# Altium PCB 4 Layers Motherboard.PcbDoc (part 2 of 3)
Units mm, origin at the board's own origin, x right, y up, seen from the top; angles counter-clockwise.
Board outline 83.25 x 83.25 mm, 4 copper layers (Top Layer, Int1 (GND), Int2 (PWR), Bottom Layer), stack 1.369 mm thick; 152 components, 130 nets, 654 pads, 220 vias.
Unrouted connection lines stored in the file: 87.
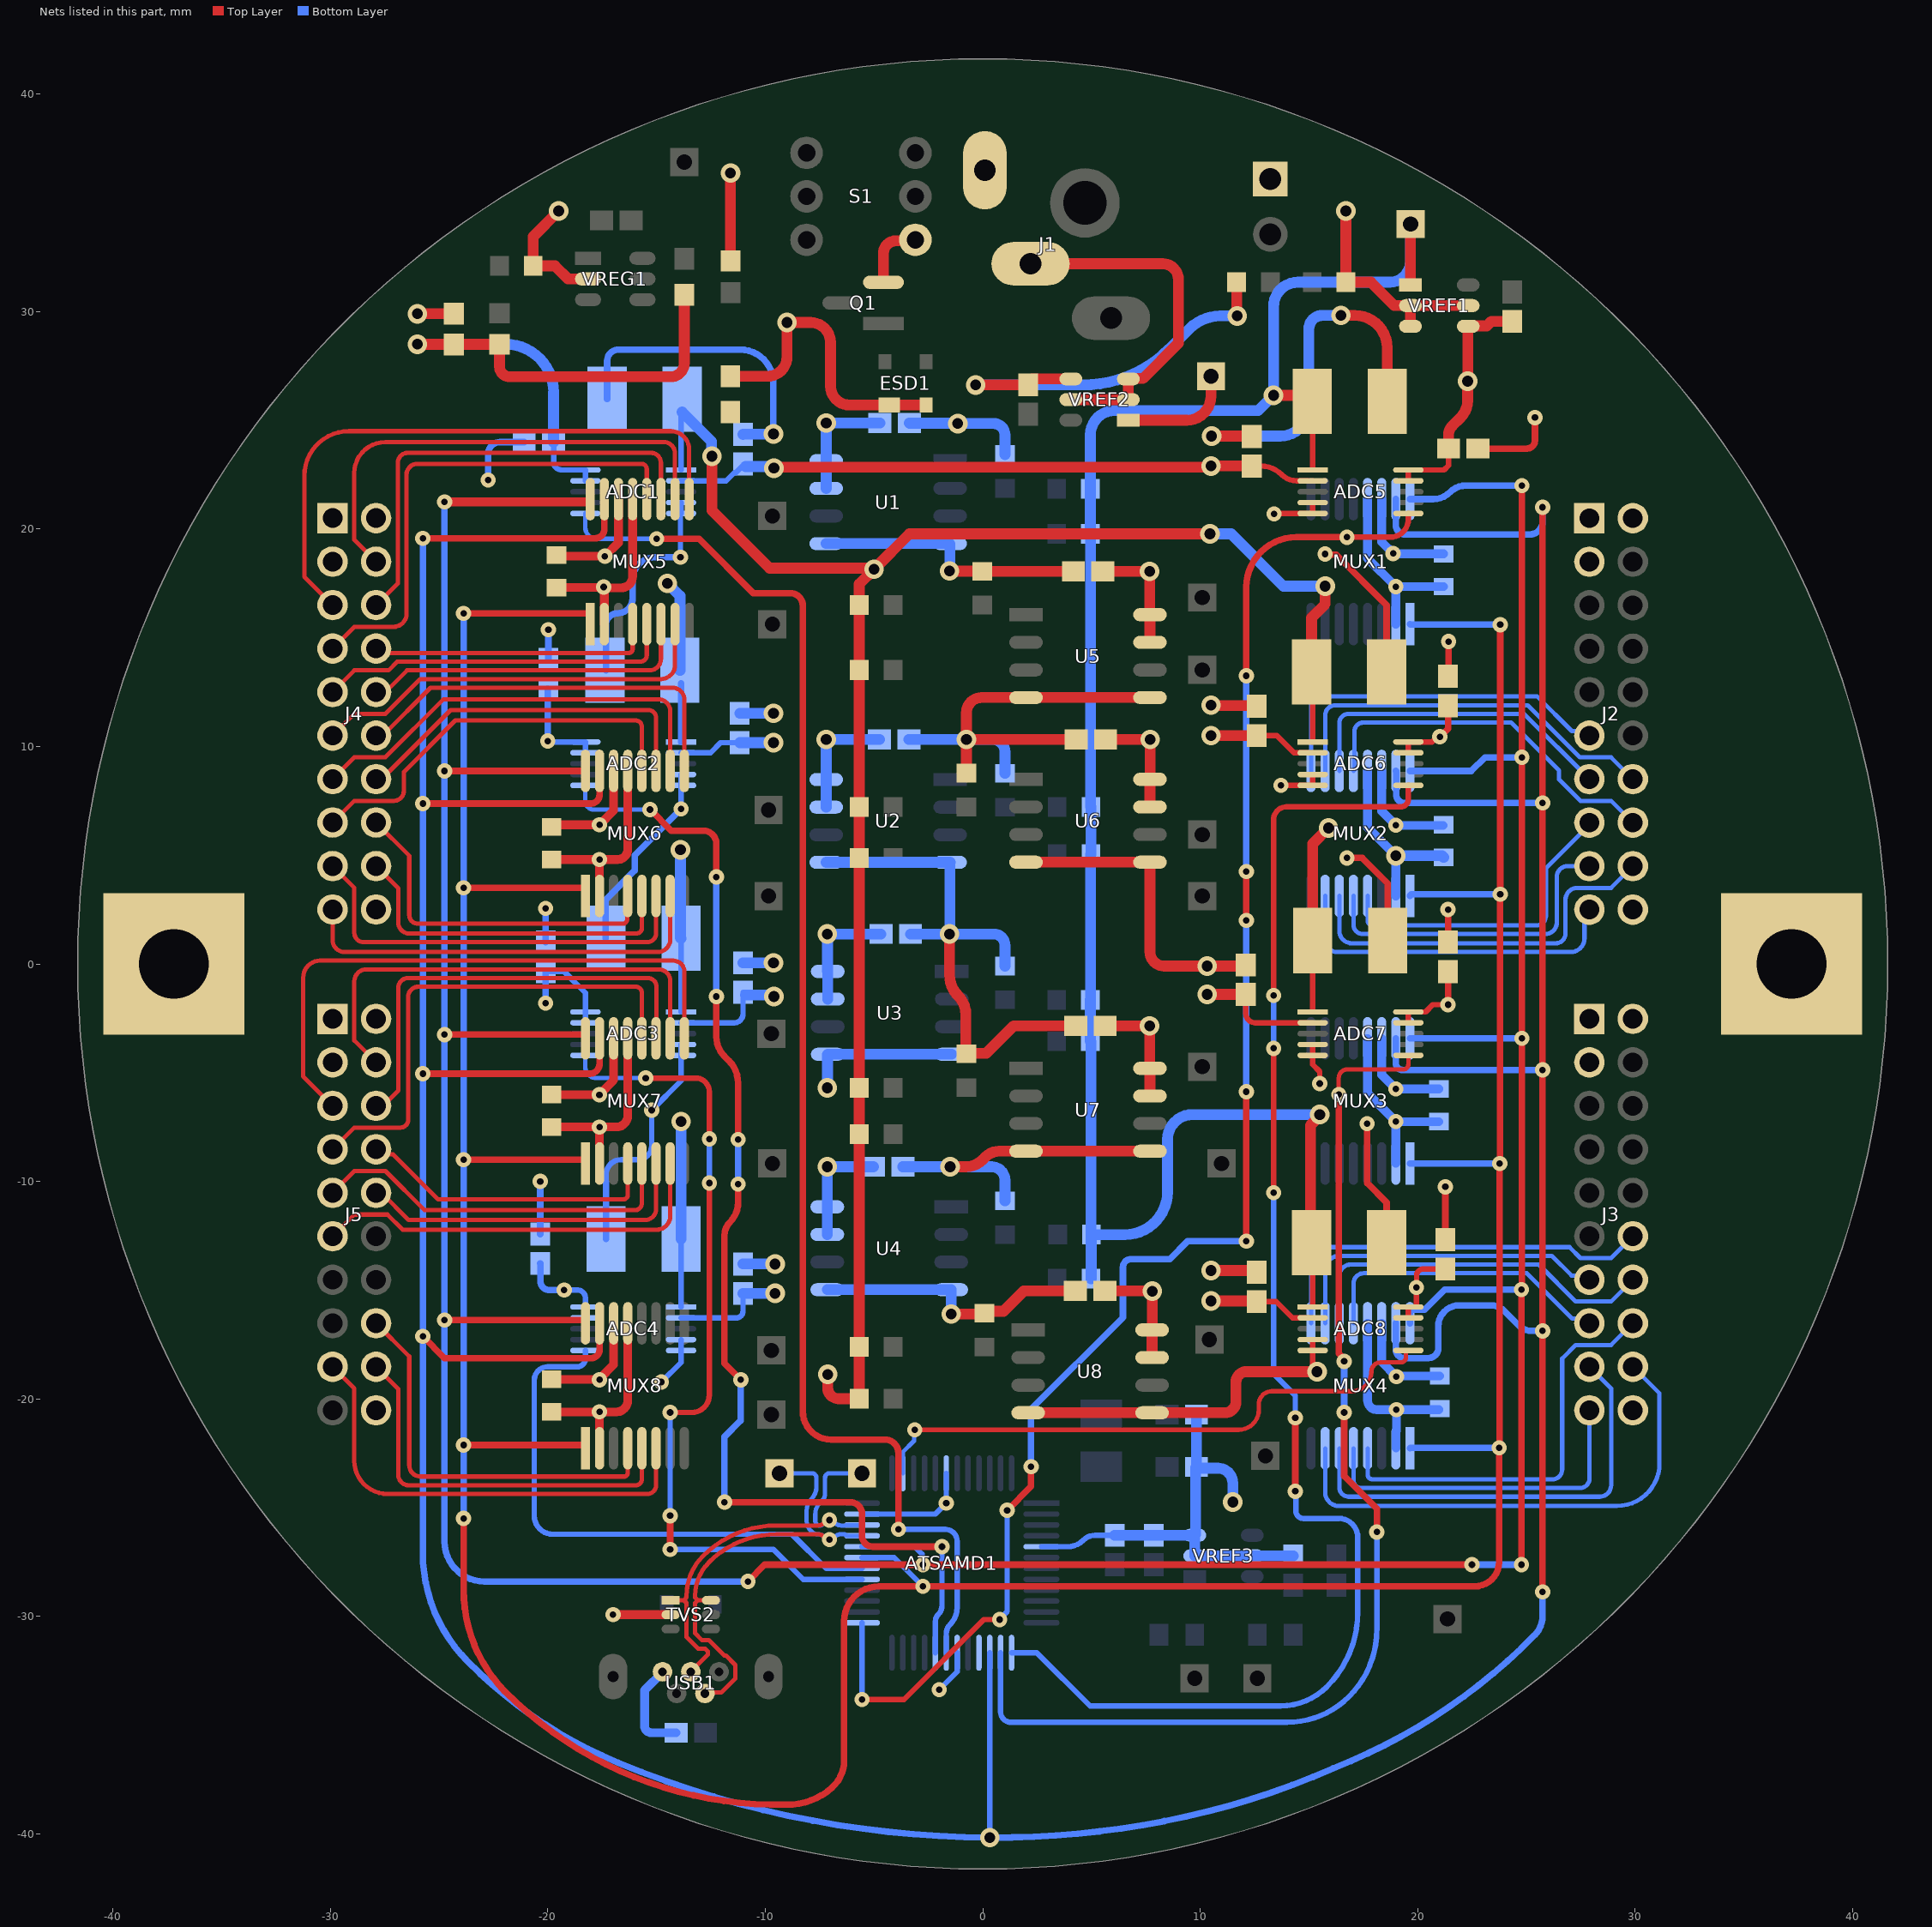
[diagram p4: the nets of this part, all layers, seen from the top]

## Via types
v1: diameter 0.7, hole 0.3, Top Layer to Bottom Layer, tented both sides, 147 vias
v2: diameter 0.9, hole 0.5, Top Layer to Bottom Layer, tented both sides, 73 vias

## Nets (pads, with @x,y where several pads share a name; then routed paths per layer and width w, separated by ;. In a path a pad name is that pad's centre, name@x,y a point inside that pad or via, vN(x,y) a via of type N, cw(c..) or ccw(c..) an arc to the next point about the centre after c; other vN are vias at no path point)
+1.8: ADC1.2 ADC2.2 ADC3.2 ADC4.2 ADC5.2 ADC6.2 ADC7.2 ADC8.2 C10.1 C15.1 C20.1 C25.1 C30.1 C35.1 C40.1 C45.1 TP2.1 VREF2.1 | length 65.6
  Top Layer w0.25: C40.1@12.1,-1.402 12.1,-2.275 ccw(c12.531,-2.275) 12.531,-2.706 ADC7.2@15.175,-2.706 ; C30.1@12.375,22.898 12.789,22.898 cw(c12.789,21.539) 13.75,22.5 ccw(c14.436,23.186) 14.436,22.216 ADC5.2@15.175,22.216 ; C45.1@12.6,-15.527 13.502,-15.527 14.25,-16.275 ADC8.2@15.175,-16.275 ; C35.1@12.6,10.498 13.527,10.498 14.314,9.711 ADC6.2@15.175,9.711
  Top Layer w0.5: v2@-9.55,22.85 v2@10.45,22.85 ; VREF2.1@6.7,25.002 9.373,25.002 9.375,25 ccw(c9.375,26.125) 10.5,26.125 TP2.1@10.5,27.025 ; v2(10.325,-1.4) C40.1@12.098,-1.4 ; v2(10.5,-15.5) C45.1@12.573,-15.5 ; v2@10.501,10.499 C35.1@12.599,10.499 ; v2@10.501,22.899 C30.1@12.375,22.898
  Bottom Layer w0.25: ADC4.2@-13.875,-16.277 -11.327,-16.277 ccw(c-11.327,-15.975) -11.025,-15.975 C25.1@-11.025,-15.152 ; ADC3.2@-13.875,-2.706 -11.431,-2.706 ccw(c-11.431,-2.3) -11.025,-2.3 C20.1@-11.025,-1.302 ; ADC2.2@-13.875,9.711 -12.514,9.711 -12.052,10.173 C15.1@-11.175,10.173 ; ADC1.2@-13.875,22.216 -11.807,22.216 -11.429,22.594 -11.356,22.594 C10.1@-11.025,22.925
  Bottom Layer w0.5: C15.1@-11.175,10.173 -11.174,10.174 v2@-9.626,10.174 ; C25.1@-11.024,-15.151 v2(-9.55,-15.15) ; C20.1@-10.904,-1.423 v2@-9.677,-1.423 ; C10.1@-10.904,22.877 v2@-9.677,22.877
  other v2: -9.6,-1.5 -9.625,10.175 10.5,10.5 -9.6,22.8 10.5,22.9
+3.3: ADC1.1 ADC2.1 ADC3.1 ADC4.1 ADC5.1 ADC6.1 ADC7.1 ADC8.1 C9.2 C14.2 C19.2 C24.2 C29.2 C34.2 C38.2 C44.2 R5.1 R7.1 R8.1 R10.1 R11.1 R13.1 R14.1 R16.1 R17.1 R19.1 R20.1 R22.1 R23.1 R25.1 R26.1 R28.1 TP1.1 VREF1.1 | length 215.1
  Top Layer w0.25: C34.2@15.15,12.95 15.175,12.925 ADC6.1@15.175,10.211 ; ADC8.1@15.175,-15.775 C44.2@15.175,-12.875 ; ADC7.1@15.175,-2.206 C38.2@15.175,1.075 ; ADC5.1@15.175,22.716 C29.2@15.175,25.25
  Top Layer w0.5: v2(-12.45,23.35) -12.45,20.85 -9.8,18.2 v2@-5.05,18.2 ; v2(-7.125,-18.875) -7.125,-19.5 ccw(c-6.63,-19.5) -7.011,-19.817 -6.947,-19.881 ccw(c-6.63,-19.5) -6.63,-19.995 R28.1@-5.682,-19.995 ; R26.1@-5.679,-17.615 -5.678,-17.614 R25.1@-5.677,-7.825 R25.1@-5.677,-7.825 R23.1@-5.677,-5.7 R22.1@-5.677,4.875 R20.1@-5.677,7.22 R19.1@-5.677,13.52 -5.677,17.473 v2(-5,18.15) -3.375,19.775 v2(10.45,19.775) ; R28.1@-5.677,-19.99 R26.1@-5.678,-17.616 ; v2(13.375,26.15) 14.575,26.15 C29.2@14.725,26.3 ; C44.2@15.125,-12.825 15.075,-12.775 15.075,-7.418 v2@15.5,-6.993 ; C34.2@15.125,13.425 15.125,15.925 15.75,16.55 v2(15.75,17.375) ; C38.2@15.175,1.075 15.175,5.525 v2(15.9,6.25) ; VREF1.1@19.675,31.225 TP1.1@19.675,34.025
  Bottom Layer w0.25: ADC4.1@-13.875,-15.777 C24.2@-13.875,-12.65 ; ADC3.1@-13.875,-2.206 C19.2@-13.875,0.925 ; ADC1.1@-13.875,22.716 C9.2@-13.875,25.35
  Bottom Layer w0.3: ADC2.1@-13.875,10.211 C14.2@-13.875,12.9
  Bottom Layer w0.5: v2(-14.5,17.5) -13.925,16.925 C14.2@-13.925,13.5 ; v2(-13.9,5.25) -13.9,1.2 C19.2@-13.875,1.175 ; C24.2@-13.875,-12.65 v2(-13.875,-7.25) ; C9.2@-13.825,25.375 -12.468,24.018 v2@-12.468,23.368 ; R10.1@4.964,5.038 4.964,-1.637 R11.1@4.952,-1.65 R13.1@4.952,-3.55 4.977,-3.575 4.977,-12.425 R14.1@5.002,-12.45 ; R16.1@4.977,-14.475 4.989,-14.462 4.989,-12.463 R14.1@5.002,-12.45 ; R10.1@4.977,5.05 R8.1@4.977,7.22 4.964,7.232 4.964,19.763 R7.1@4.952,19.775 ; v2(15.5,-6.925) 9.65,-6.925 ccw(c9.65,-8.075) 8.5,-8.075 8.5,-10.481 cw(c6.531,-10.481) 6.531,-12.45 R14.1@5.002,-12.45 ; v2(15.75,17.375) 13.827,17.375 11.427,19.775 v2(10.45,19.775) R7.1@4.952,19.775 ; TP1.1@19.675,34.025 19.675,32.301 19.671,32.301 cw(c18.72,32.301) 18.72,31.35 14.5,31.35 ccw(c14.5,30.225) 13.375,30.225 v2(13.375,26.15) 12.675,25.45 6.075,25.45 ccw(c6.075,24.327) 4.952,24.327 R5.1@4.952,21.85 R7.1@4.952,19.775
+5: ADC1.9 ADC1.10 ADC2.9 ADC2.10 ADC3.9 ADC3.10 ADC4.9 ADC4.10 ADC5.9 ADC5.10 ADC6.9 ADC6.10 ADC7.9 ADC7.10 ADC8.9 ADC8.10 C1.2 C4.2 C5.2 C6.2 C7.1 C8.1 C11.2 C12.1 C13.1 C16.2 C17.1 C18.1 C21.2 C22.1 C23.1 C26.2 C27.1 C28.1 C31.2 C32.1 C33.1 C36.2 C37.1 C39.1 C41.2 C42.1 C43.1 L1.2 MUX1.2 MUX1.13 MUX2.2 MUX2.13 MUX3.2 MUX3.13 MUX4.2 MUX4.13 MUX5.2 MUX5.13 MUX6.2 MUX6.13 MUX7.2 MUX7.13 MUX8.2 MUX8.13 R1.1 R4.2 U1.7 U1.8 U2.7 U2.8 U3.7 U3.8 U4.7 U4.8 U5.7 U5.8 U6.7 U6.8 U7.7 U7.8 U8.7 U8.8 VREF1.4 VREF2.4 | length 198.9
  Top Layer w0.25: ADC8.9@19.575,-16.275 ADC8.10@19.575,-15.775 ; ADC7.9@19.575,-2.706 ADC7.10@19.575,-2.206 20.369,-2.206 20.7,-1.875 v1(21.4,-1.875) ; ADC6.9@19.575,9.711 ADC6.10@19.575,10.211 20.666,10.211 v1@20.903,10.448 ; ADC5.9@19.575,22.216 ADC5.10@19.575,22.716 21.216,22.716 21.423,22.923 C27.1@21.423,23.7 ; ADC8.10@19.95,-15.775 v1(19.95,-14.875) 19.953,-14.872 19.953,-14.347 cw(c20.273,-14.347) 20.273,-14.027 C42.1@21.275,-14.027
  Top Layer w0.3: v1@21.025,10.451 21.398,10.824 21.398,11.871 C32.1@21.4,11.873 ; v1(21.4,-1.875) C37.1@21.4,-0.352
  Top Layer w0.4: C41.2@-19.825,-20.6 v1(-17.625,-20.6) ; C36.2@-19.825,-7.5 v1(-17.625,-7.5) ; C31.2@-19.825,4.8 v1(-17.625,4.8) ; C26.2@-19.6,17.299 -19.584,17.315 v1@-17.449,17.315 ; MUX8.2@-17.625,-22.725 MUX8.2@-17.625,-22.275 v1(-17.625,-20.6) ; MUX7.2@-17.625,-9.625 MUX7.2@-17.625,-9.175 v1(-17.625,-7.5) ; MUX6.2@-17.625,2.675 MUX6.2@-17.625,3.125 v1(-17.625,4.8) ; MUX5.2@-17.4,15.623 -17.4,17.299 -16.625,17.299 ccw(c-16.625,17.824) -16.1,17.824 MUX5.13@-16.1,21.374 ; MUX8.13@-16.325,-16.525 -16.325,-20.075 cw(c-16.85,-20.075) -16.85,-20.6 v1(-17.625,-20.6) ; MUX7.13@-16.325,-3.425 -16.325,-6.975 cw(c-16.85,-6.975) -16.85,-7.5 v1(-17.625,-7.5) ; MUX6.13@-16.325,8.875 -16.325,5.275 cw(c-16.8,5.275) -16.8,4.8 v1(-17.625,4.8)
  Top Layer w0.5: v2@-25.996,28.496 -24.329,28.496 C4.2@-24.325,28.493 R4.2@-22.225,28.493 -22.225,27.475 ccw(c-21.75,27.475) -21.75,27 -14.35,27 ccw(c-14.35,27.625) -13.725,27.625 L1.2@-13.725,30.775 ; v2@-0.323,26.627 C5.2@2.081,26.627 ; C5.2@2.289,26.902 VREF2.4@4.05,26.902 ; C28.1@5.527,18.055 5.529,18.052 v2@7.673,18.052 ; C43.1@5.626,-15.042 v2@7.792,-15.042 ; C39.1@5.627,-2.85 v2(7.675,-2.85) U7.8@7.675,-4.783 ; C33.1@5.652,10.325 v2(7.7,10.325) ; U5.8@7.683,16.068 v2@7.683,18.042 ; U7.7@7.692,-6.07 U7.8@7.692,-4.8 ; U6.7@7.692,7.22 U6.8@7.692,8.49 7.696,8.494 v2@7.696,10.321 ; U5.7@7.692,14.79 U5.8@7.692,16.06 ; U8.7@7.792,-18.1 U8.8@7.792,-16.83 ; U8.8@7.8,-16.822 v2(7.8,-15.05) ; v2@11.687,29.813 R1.1@11.687,31.337 ; C27.1@21.423,23.7 21.423,24.325 cw(c22.022,24.325) 21.598,24.748 21.975,25.125 ccw(c21.19,25.91) 22.3,25.91 v2(22.3,26.8) ; v2@22.312,26.812 VREF1.4@22.312,29.313 ; VREF1.4@22.344,29.344 23.186,29.344 23.392,29.55 24.348,29.55 C1.2@24.35,29.548
  Bottom Layer w0.25: C17.1@-20.1,-0.354 -19.246,-0.354 -18.275,-1.325 ADC3.10@-18.275,-2.206 ADC3.9@-18.275,-2.706 ; v1@-19.961,10.211 ADC2.10@-18.289,10.211 ; C7.1@-19.736,24 -19.736,23.086 ccw(c-19.366,23.086) -19.366,22.716 ADC1.10@-18.275,22.716 ADC1.9@-18.275,22.216 ; v1(-19.25,-15) -18.625,-15 cw(c-18.625,-15.35) -18.275,-15.35 ADC4.10@-18.275,-15.777 ADC4.9@-18.275,-16.277 ; ADC2.9@-18.275,9.711 ADC2.10@-18.275,10.211
  Bottom Layer w0.3: C22.1@-20.35,-13.777 -20.345,-13.782 -20.345,-14.58 ccw(c-19.925,-14.58) -19.925,-15 v1(-19.25,-15) ; v1(-20.1,-1.8) C17.1@-20.1,-0.354 ; v1(-20,10.25) C12.1@-20,12.648
  Bottom Layer w0.4: MUX4.13@17.7,-16.524 17.7,-20.075 ccw(c18.125,-20.075) 18.125,-20.5 v1(19.025,-20.5) ; MUX3.13@17.7,-3.425 17.7,-5.95 v1(19,-7.25) ; MUX2.13@17.7,8.875 17.7,6.275 v2(19,4.975) MUX2.2@19,3.125 ; MUX1.13@17.7,21.374 17.7,18.65 v1(19,17.35) ; MUX3.2@19,-9.175 v1(19,-7.25) ; MUX1.2@19,15.624 v1(19,17.35) ; MUX4.2@19.01,-22.25 19.004,-22.245 19.004,-21.498 19.025,-21.477 v1(19.025,-20.5) ; C21.2@20.975,-20.5 v1(19.025,-20.5) ; C16.2@20.975,-7.25 v1(19,-7.25) ; C6.2@21.2,17.35 v1(19,17.35)
  Bottom Layer w0.5: v2(-26,28.5) -21.95,28.5 cw(c-21.95,26.286) -19.736,26.286 C7.1@-19.736,24 ; U2.7@-7.2,7.21 U2.8@-7.2,8.48 v2(-7.2,10.325) C13.1@-4.752,10.325 ; U1.7@-7.2,21.87 U1.8@-7.2,23.14 v2(-7.2,24.875) C8.1@-4.727,24.875 ; U4.7@-7.15,-12.44 U4.8@-7.15,-11.17 v2(-7.15,-9.325) C23.1@-5.027,-9.325 ; v2(-7.15,1.375) C18.1@-4.677,1.375 ; U3.8@-7.137,-0.333 v2@-7.137,1.362 ; U3.7@-7.125,-1.615 U3.8@-7.125,-0.345 ; v2(-0.325,26.625) 4.586,26.625 ccw(c4.588,32.267) 8.579,28.279 9.517,29.217 cw(c10.925,27.808) 10.925,29.8 v2(11.7,29.8) ; v2(19,4.975) 21.125,4.975 C11.2@21.2,4.9
  other v1: 21.025,10.448 -17.432,17.331
  other v2: 7.675,18.05
AGND: ADC1.4 ADC1.5 ADC2.4 ADC2.5 ADC3.4 ADC3.5 ADC4.4 ADC4.5 ADC5.4 ADC5.5 ADC6.4 ADC6.5 ADC7.4 ADC7.5 ADC8.4 ADC8.5 C8.2 C9.1 C10.2 C13.2 C14.1 C15.2 C18.2 C19.1 C20.2 C23.2 C24.1 C25.2 C28.2 C29.1 C30.2 C33.2 C34.1 C35.2 C38.1 C39.2 C40.2 C43.2 C44.1 C45.2 L2.2 R6.2 R9.2 R12.2 R15.2 R18.2 R21.2 R24.2 R27.2 U1.4 U1.5 U2.4 U2.5 U3.4 U3.5 U4.4 U4.5 U5.4 U5.5 U6.4 U6.5 U7.4 U7.5 U8.4 U8.5 | length 229.7
  Top Layer w0.25: v1@13.416,20.716 ADC5.5@15.175,20.716 ADC5.4@15.175,21.216 ; v1(13.714,8.211) ADC6.5@15.175,8.211 ADC6.4@15.175,8.711 ; v2@15.175,-18.75 ADC8.5@15.175,-17.775 ADC8.4@15.175,-17.275 ; ADC7.4@15.175,-3.706 ADC7.5@15.175,-4.206 15.175,-4.625 15.5,-4.95 v1(15.5,-5.5)
  Top Layer w0.3: v1@15.778,18.822 16.253,18.822 18.575,16.5 C34.1@18.575,13.425 ; v1(16.75,4.875) 17.45,4.875 18.625,3.7 C38.1@18.625,1.075 ; v1(17.675,-7.35) 17.675,-10.075 18.575,-10.975 C44.1@18.575,-12.825
  Top Layer w0.5: v2(-1.525,1.375) -1.525,-0.509 ccw(c-0.159,-0.509) -1.125,-1.475 cw(c-1.974,-2.324) -0.773,-2.324 R24.2@-0.773,-4.112 ; v2@-1.515,18.065 R18.2@-0.035,18.065 ; v2(-1.5,-9.325) -0.775,-9.325 ccw(c-0.775,-8.239) -0.007,-9.007 0.125,-8.875 cw(c0.765,-9.515) 0.765,-8.61 U7.4@1.992,-8.61 U7.5@7.692,-8.61 ; v2(-1.45,-16.1) R27.2@0.037,-16.1 ; R21.2@-0.75,8.773 v2(-0.75,10.325) ; R24.2@-0.727,-4.112 0.163,-4.112 1.425,-2.85 C39.2@4.273,-2.85 ; R18.2@-0.025,18.055 C28.2@4.173,18.055 ; R27.2@0.166,-15.97 0.955,-15.97 1.89,-15.035 C43.2@4.265,-15.035 ; U6.4@1.989,4.677 U6.4@1.992,4.68 U6.5@7.692,4.68 7.692,0.558 ccw(c8.35,0.558) 8.35,-0.1 v2(10.325,-0.1) 12.048,-0.1 ccw(c12.048,-0.048) C40.2@12.1,-0.048 ; U8.4@2.092,-20.64 U8.5@7.792,-20.64 11.135,-20.64 ccw(c11.135,-20.125) 11.65,-20.125 11.65,-19.225 cw(c12.125,-19.225) 12.125,-18.75 15.175,-18.75 v2(15.375,-18.75) ; C33.2@4.298,10.325 v2(-0.75,10.325) ; U5.5@7.692,12.25 U5.4@1.992,12.25 -0.05,12.25 ccw(c-0.05,11.55) -0.75,11.55 v2(-0.75,10.325) ; v2(10.5,-14.1) 12.527,-14.1 C45.2@12.6,-14.173 ; v2@10.524,11.876 C35.2@12.576,11.876 ; v2(10.524,24.276) C30.2@12.351,24.276 ; v2(16.475,29.825) 17.111,29.825 cw(c17.111,28.336) 18.6,28.336 C29.1@18.6,25.875
  Bottom Layer w0.25: -17.325,-10 -17.325,-9.7 cw(c-16.625,-9.7) -16.625,-9 -15.858,-9 ccw(c-15.858,-8.367) -15.225,-8.367 v1(-15.225,-6.725) -13.875,-5.375 ADC3.5@-13.875,-4.206 ADC3.4@-13.875,-3.706 ; v1(-14.775,-19.225) -13.875,-18.325 ADC4.5@-13.875,-17.777 ADC4.4@-13.875,-17.277 ; v1(-13.9,18.7) -13.9,20.716 ADC1.5@-13.875,20.716 ADC1.4@-13.875,21.216 ; v1(-13.875,7.125) ADC2.5@-13.875,8.211 ADC2.4@-13.875,8.711
  Bottom Layer w0.3: C19.1@-17.35,1.175 -17.35,2.95 -16,4.3 -16,5 v1(-13.875,7.125) ; C24.1@-17.325,-12.65 -17.325,-10 ; C14.1@-17.325,13.5 -17.325,15.6 cw(c-16.8,15.6) -16.8,16.125 ccw(c-16.8,16.825) -16.1,16.825 -16.1,17.675 cw(c-15.074,17.674) -15.074,18.7 v1(-13.9,18.7) ; C9.1@-17.275,25.975 -17.275,27.725 cw(c-16.75,27.725) -16.75,28.25 -11.154,28.25 cw(c-11.154,26.721) -9.625,26.721 v2(-9.625,24.375)
  Bottom Layer w0.5: C15.2@-11.175,11.527 -11.174,11.526 -9.626,11.526 v2(-9.625,11.525) ; C10.2@-11.025,24.352 -11.013,24.363 v2@-9.637,24.363 ; C25.2@-11.024,-13.799 v2(-9.55,-13.8) ; C20.2@-11.024,0.051 v2@-9.626,0.051 ; U2.5@-7.2,4.67 U2.4@-1.5,4.67 -1.512,4.658 v2@-1.512,1.388 ; U1.5@-7.2,19.33 -1.525,19.33 -1.513,19.318 v2@-1.513,18.088 ; U4.5@-7.15,-14.98 U4.4@-1.579,-14.98 ; v2@-7.137,-5.687 U3.5@-7.137,-4.167 ; U3.5@-7.125,-4.155 U3.4@-1.425,-4.155 ; C23.2@-3.673,-9.325 v2(-1.5,-9.325) 0.4,-9.325 cw(c0.4,-9.95) 1.025,-9.95 R15.2@1.025,-10.897 ; C13.2@-3.398,10.325 v2(-0.75,10.325) 0.45,10.325 cw(c0.45,9.75) 1.025,9.75 R9.2@1.025,8.763 ; C8.2@-3.373,24.875 -3.361,24.863 v2@-1.162,24.863 ; C18.2@-3.323,1.375 v2(-1.525,1.375) 0.5,1.375 cw(c0.5,0.85) 1.025,0.85 R12.2@1.025,-0.097 ; v2(-1.45,-16.1) U4.4@-1.45,-14.98 ; v2(-1.15,24.85) 0.5,24.85 cw(c0.5,24.325) 1.025,24.325 R6.2@1.025,23.423 ; v2(10.524,24.276) 13.676,24.276 ccw(c13.676,25.6) 15,25.6 15,29.2 cw(c15.625,29.2) 15.625,29.825 v2(16.475,29.825)
  other v1: 15.75,18.85 13.4,20.7
  other v2: -7.15,-5.7 -9.625,0.05 10.5,11.9 -1.525,18.075
B1: J2.8 MUX2.4 | length 14.8
  Bottom Layer w0.2: MUX2.4@17.7,3.125 17.7,2.006 ccw(c17.931,2.006) 17.931,1.775 25.475,1.775 ccw(c25.475,2.2) 25.9,2.2 25.9,4.4 27.9,6.4 J2.8@27.9,6.498
B2: J2.9 MUX2.5 | length 15.1
  Bottom Layer w0.2: MUX2.5@17.05,3.125 17.05,1.8 ccw(c17.475,1.8) 17.475,1.375 25.875,1.375 ccw(c25.875,1.9) 26.4,1.9 26.4,4 cw(c26.898,4) 26.898,4.498 J2.9@27.9,4.498
B3: J2.12 MUX2.6 | length 18
  Bottom Layer w0.2: MUX2.6@16.4,3.125 16.4,1.525 ccw(c16.975,1.525) 16.975,0.95 26.352,0.95 ccw(c26.352,1.398) 26.8,1.398 26.8,2.95 cw(c27.348,2.95) 27.348,3.498 28.314,3.498 28.9,3.498 J2.12@29.9,4.498
B4: J2.10 MUX2.7 | length 16
  Bottom Layer w0.2: MUX2.7@15.75,3.125 15.75,1.1 ccw(c16.3,1.1) 16.3,0.55 27.05,0.55 ccw(c27.05,1.176) 27.676,1.176 27.676,2.274 J2.10@27.9,2.498
B5: J2.13 MUX2.12 | length 17
  Bottom Layer w0.2: MUX2.12@17.05,8.875 17.092,8.918 17.092,10.692 cw(c17.498,10.692) 17.498,11.098 24.302,11.098 26.5,8.9 26.5,8.484 27.486,7.498 28.314,7.498 28.9,7.498 J2.13@29.9,6.498
B6: J2.7 MUX2.11 | length 15.2
  Bottom Layer w0.2: MUX2.11@16.4,8.875 16.4,11.075 cw(c16.823,11.075) 16.823,11.498 24.9,11.498 J2.7@27.9,8.498
B7: J2.14 MUX2.10 | length 18.4
  Bottom Layer w0.2: MUX2.10@15.75,8.875 15.75,11.432 cw(c16.216,11.432) 16.216,11.898 25.066,11.898 27.466,9.498 28.9,9.498 J2.14@29.9,8.498
B8: J2.6 MUX2.9 | length 16.8
  Bottom Layer w0.2: MUX2.9@15.1,8.875 15.1,11.925 cw(c15.473,11.925) 15.473,12.298 25.502,12.298 27.094,10.706 27.692,10.706 J2.6@27.9,10.498
D0: ATSAMD1.31 MUX1.1 MUX2.1 MUX3.1 MUX4.1 MUX5.1 MUX6.1 MUX7.1 MUX8.1 | length 191.8
  Top Layer w0.3: v1(-23.875,-25.5) -23.875,-28.787 ccw(c-17.171,-28.783) -21.963,-33.471 ccw(c-9.423,-20.923) -9.045,-38.659 -9.044,-38.659 cw(c-9.039,-38.959) -9.034,-38.659 ccw(c-8.971,-35.596) -6.927,-37.879 ; v1(-23.875,-22.125) MUX8.1@-18.335,-22.125 ; v1(-23.875,-9) MUX7.1@-18.335,-9 ; v1(-23.875,3.5) -18.335,3.5 MUX6.1@-18.275,3.44 ; v1(-23.875,16.125) -18.11,16.125 MUX5.1@-18.05,16.065 ; -6.926,-37.878 ccw(c-8.055,-36.634) -6.375,-36.633 -6.375,-30.225 cw(c-4.775,-30.225) -4.775,-28.625 v1(-2.75,-28.625) ; v1@-2.749,-28.625 22.625,-28.625 ccw(c22.625,-27.499) 23.751,-27.499 v1@23.751,-22.254 ; v1@23.765,-22.241 23.765,-9.187 v1(23.776,-9.175) 23.788,-9.164 23.788,3.188 v1(23.8,3.2) v1(23.8,15.6)
  Bottom Layer w0.25: ATSAMD1.31@-5.55,-27.3 -4.075,-27.3 v1(-2.75,-28.625)
  Bottom Layer w0.3: v1(-23.875,-25.5) v1(-23.875,-22.125) v1(-23.875,-9) v1(-23.875,3.5) v1(-23.875,16.125) ; MUX4.1@19.65,-22.275 19.673,-22.253 v1(23.753,-22.253) ; MUX3.1@19.65,-9.175 v1(23.776,-9.175) ; MUX2.1@19.65,3.125 19.65,3.14 19.71,3.2 v1(23.8,3.2) ; MUX1.1@19.65,15.624 19.674,15.6 v1(23.8,15.6)
D1: ATSAMD1.32 MUX1.16 MUX2.16 MUX3.16 MUX4.16 MUX5.16 MUX6.16 MUX7.16 MUX8.16 | length 200.1
  Top Layer w0.3: v1(-24.75,-16.375) -18.331,-16.375 -18.275,-16.431 MUX8.16@-18.275,-16.525 ; v1(-24.75,-3.25) -18.331,-3.25 -18.275,-3.306 MUX7.16@-18.275,-3.425 ; v1(-24.75,8.875) MUX6.16@-18.275,8.875 ; v1(-10.8,-28.4) -10.025,-27.625 v1(-2.75,-27.625) ; v1@-2.749,-27.625 v1(22.5,-27.625) ; v1(24.775,-27.625) v1(24.775,-14.975) 24.8,-14.95 v1(24.8,-3.425) v1(24.8,9.5) v1(24.8,22)
  Top Layer w0.4: v1(-24.75,21.25) -18.06,21.25 MUX5.16@-18.06,21.225
  Bottom Layer w0.25: ATSAMD1.32@-5.55,-26.8 -3.148,-26.8 -3.148,-26.802 -3.12,-26.802 -2.786,-27.136 v1@-2.786,-27.589
  Bottom Layer w0.3: v1(-24.75,21.25) v1(-24.75,8.875) v1(-24.75,-3.25) v1(-24.75,-16.375) -24.75,-26.569 ccw(c-22.919,-26.569) -22.919,-28.4 v1(-10.8,-28.4) ; MUX4.16@19.65,-16.524 19.65,-15.963 19.706,-15.907 20.318,-15.907 21.25,-14.975 v1(24.775,-14.975) ; MUX2.16@19.65,8.875 22.475,8.875 23.1,9.5 v1(24.8,9.5) ; MUX1.16@19.65,21.374 20.714,21.374 ccw(c20.714,22.486) 21.5,21.7 cw(c22.224,20.976) 22.224,22 v1(24.8,22) ; MUX3.16@19.65,-3.425 v1(24.8,-3.425) ; v1(22.5,-27.625) v1(24.775,-27.625)
D2: ATSAMD1.15 MUX1.15 MUX2.15 MUX3.15 MUX4.15 MUX5.15 MUX6.15 MUX7.15 MUX8.15 | length 240.7
  Top Layer w0.3: v1(-25.75,-17.125) -24.75,-18.125 -18,-18.125 ccw(c-18,-17.75) -17.625,-17.75 MUX8.15@-17.625,-16.525 ; v1(-25.75,-5.05) -18.075,-5.05 ccw(c-18.075,-4.6) -17.625,-4.6 MUX7.15@-17.625,-3.425 ; v1(-25.75,7.375) -18.025,7.375 ccw(c-18.025,7.775) -17.625,7.775 MUX6.15@-17.625,8.875 ; v1(-25.75,19.575) -17.825,19.575 ccw(c-17.825,20) -17.4,20 MUX5.15@-17.4,21.374 ; v1(25.75,-28.875) v1(25.75,-16.875) v1(25.75,-4.875) v1(25.75,7.4) v1(25.75,21)
  Bottom Layer w0.25: v2(0.325,-40.175) ATSAMD1.15@0.325,-31.675
  Bottom Layer w0.3: v1(-25.75,19.575) v1(-25.75,7.375) v1(-25.75,-5.05) v1(-25.75,-17.125) -25.75,-27.073 ccw(c-18.668,-27.082) -23.685,-32.08 ccw(c-8.73,-17.317) -16.774,-36.731 ccw(c0.539,5.058) v2(0.325,-40.175) 0.334,-40.175 ccw(c0.577,0.186) 9.345,-39.212 ccw(c1.394,-3.487) 16.13,-36.988 ccw(c6.437,-12.282) 25.375,-30.875 ccw(c24.47,-29.97) 25.75,-29.97 v1(25.75,-28.875) ; MUX4.15@19,-16.524 19,-17.75 ccw(c19.375,-17.75) 19.375,-18.125 20.5,-18.125 ccw(c20.5,-17.675) 20.95,-17.675 20.95,-16.667 cw(c21.917,-16.667) 21.917,-15.7 23.375,-15.7 cw(c23.375,-16.545) 23.972,-15.947 24.653,-16.628 ccw(c25.25,-16.03) 25.25,-16.875 v1(25.75,-16.875) ; MUX3.15@19,-3.425 19,-4.575 ccw(c19.3,-4.575) 19.3,-4.875 v1(25.75,-4.875) ; MUX2.15@19,8.875 19.013,8.862 19.013,7.787 ccw(c19.4,7.787) 19.4,7.4 v1(25.75,7.4) ; MUX1.15@19,21.374 19,20.175 ccw(c19.425,20.175) 19.425,19.75 25.15,19.75 ccw(c25.15,20.35) 25.75,20.35 v1(25.75,21)
D3: ATSAMD1.16
D4: ADC1.6 ATSAMD1.19 | length 66.6
  Top Layer w0.3: v1(-15,19.55) -13.05,19.55 -10.55,17.05 -8.85,17.05 cw(c-8.85,16.475) -8.275,16.475 -8.275,-20.575 ccw(c-6.975,-20.575) -6.975,-21.875 -4.5,-21.875 cw(c-4.5,-22.5) -3.875,-22.5 v1(-3.875,-26)
  Bottom Layer w0.2: ADC1.6@-18.275,20.716 -18.275,20.065 ccw(c-17.76,20.065) -17.76,19.55 v1(-15,19.55)
  Bottom Layer w0.25: v1(-3.875,-26) -1.729,-26 cw(c-1.729,-26.554) -1.175,-26.554 -1.175,-29.59 cw(c-2.285,-29.59) -1.5,-30.375 ccw(c-1.078,-30.797) -1.675,-30.797 ATSAMD1.19@-1.675,-31.675
D5: ADC2.6 ATSAMD1.20 | length 55.6
  Top Layer w0.3: v1(-15.3,7.1) -14.325,6.125 -12.85,6.125 cw(c-12.85,5.525) -12.25,5.525 v1(-12.25,4) ; v1(-12.25,-1.5) -12.25,-3.345 ccw(c-10.97,-3.345) -11.875,-4.25 -11.677,-4.448 cw(c-12.708,-5.479) -11.25,-5.479 v1(-11.25,-8.075) ; v1(-11.875,-24.75) -6.1,-24.75 cw(c-6.1,-25.3) -5.55,-25.3 -5.55,-26.3 ccw(c-5.05,-26.3) -5.05,-26.8 v1(-1.875,-26.8) ; v1(-11.25,-10.125) -11.25,-10.97 cw(c-12.53,-10.97) -11.625,-11.875 ccw(c-11.021,-12.479) -11.875,-12.479 -11.875,-18.375 v1(-11.125,-19.125)
  Bottom Layer w0.2: ADC2.6@-18.275,8.211 -18.275,7.475 ccw(c-17.9,7.475) -17.9,7.1 v1(-15.3,7.1)
  Bottom Layer w0.25: ATSAMD1.20@-2.175,-31.675 -2.175,-30.227 cw(c-1.748,-30.227) -2.05,-29.925 ccw(c-2.472,-29.503) -1.875,-29.503 v1(-1.875,-26.8)
  Bottom Layer w0.3: v1(-12.25,-1.5) v1(-12.25,4) ; v1(-11.875,-24.75) -11.875,-21.75 -11.125,-21 v1(-11.125,-19.125) ; v1(-11.25,-10.125) v1(-11.25,-8.075)
D6: ADC3.6 ATSAMD1.29 | length 38.8
  Top Layer w0.25: v1(-15.5,-5.25) -13.2,-5.25 cw(c-13.2,-5.875) -12.575,-5.875 v1(-12.575,-8.05) ; v1(-14.375,-20.625) -13.375,-20.625 ccw(c-13.375,-19.825) -12.575,-19.825 v1(-12.575,-10.075)
  Top Layer w0.3: v1(-14.375,-26.925) v1(-14.375,-25.375)
  Bottom Layer w0.2: ADC3.6@-18.275,-4.206 -18.275,-4.75 ccw(c-17.775,-4.75) -17.775,-5.25 v1(-15.5,-5.25)
  Bottom Layer w0.25: v1(-14.375,-26.925) -9.625,-26.925 -8.25,-28.3 ATSAMD1.29@-5.55,-28.3 ; v1(-14.375,-25.375) v1(-14.375,-20.625) ; v1(-12.575,-10.075) v1(-12.575,-8.05)
D7: ADC4.6 ATSAMD1.30 | length 25.7
  Bottom Layer w0.25: ADC4.6@-18.275,-17.777 -18.275,-18.15 cw(c-18.65,-18.15) -18.65,-18.525 -20,-18.525 ccw(c-20,-19.15) -20.625,-19.15 -20.625,-25.375 ccw(c-19.775,-25.375) -19.775,-26.225 -8.775,-26.225 -7.2,-27.8 ATSAMD1.30@-5.55,-27.8
D8: ADC5.6 ATSAMD1.25 | length 75.7
  Top Layer w0.25: v1(-5.55,-33.825) -3.625,-33.825 0.05,-30.15 v1(0.775,-30.15) ; v1(16.75,19.625) 18.744,19.625 ccw(c18.744,20.456) 19.575,20.456 ADC5.6@19.575,20.716
  Top Layer w0.3: v1(1.125,-25.125) 2.222,-24.028 2.222,-23.128 v1(2.225,-23.125) ; v1(12.125,-12.75) v1(12.125,-5.875) ; v1(12.125,2) v1(12.125,4.25) ; v1(12.125,13.25) 12.125,17.325 cw(c14.425,17.325) 14.425,19.625 v1(16.75,19.625)
  Bottom Layer w0.25: v1(-5.55,-33.825) ATSAMD1.25@-5.55,-30.3 ; v1@0.775,-30.129 1.125,-29.779 v1(1.125,-25.125)
  Bottom Layer w0.3: v1(2.225,-23.125) 2.225,-20.475 6.45,-16.25 6.45,-13.95 cw(c6.825,-13.95) 6.825,-13.575 8.601,-13.575 9.426,-12.75 v1(12.125,-12.75) ; v1(12.125,-5.875) v1(12.125,2) ; v1(12.125,4.25) v1(12.125,13.25)
D11: ADC6.6 ATSAMD1.13 | length 66.1
  Top Layer w0.25: v1(13.375,-10.525) v1(13.375,-3.881) ; v1(13.375,-1.45) 13.375,6.625 cw(c13.975,6.625) 13.975,7.225 19.225,7.225 ccw(c19.225,7.575) 19.575,7.575 ADC6.6@19.575,8.211
  Top Layer w0.3: v1(14.375,-24.25) 14.375,-20.925 v1@14.4,-20.9
  Bottom Layer w0.25: ATSAMD1.13@1.325,-31.675 2.487,-31.675 4.936,-34.125 13.698,-34.125 ccw(c13.698,-31.118) 15.822,-33.246 ccw(c12.38,-29.801) 17.25,-29.801 17.25,-26.375 ccw(c16.375,-26.375) 16.375,-25.5 14.75,-25.5 cw(c14.75,-25.15) 14.4,-25.15 v1@14.4,-24.275 ; v1(13.375,-10.525) 13.375,-18.85 14.375,-19.85 v1(14.375,-20.875) ; v1(13.375,-3.881) v1(13.375,-1.45)
D12: ADC7.6 ATSAMD1.14 | length 52.8
  Top Layer w0.2: v1(16.375,-6) 16.375,-5.25 cw(c16.775,-5.25) 16.775,-4.85 19.35,-4.85 ccw(c19.35,-4.625) 19.575,-4.625 ADC7.6@19.575,-4.206
  Top Layer w0.3: v1(16.375,-6) 16.375,-17.917 16.625,-18.167 v1(16.625,-18.275) ; v1(16.625,-20.625) 16.625,-23.55 18.125,-25.05 v1(18.125,-26.125)
  Bottom Layer w0.25: ATSAMD1.14@0.825,-31.675 0.825,-34.4 ccw(c1.3,-34.4) 1.3,-34.875 2.25,-34.875 13.992,-34.875 ccw(c13.993,-30.829) 16.851,-33.693 ccw(c13.781,-30.62) 18.125,-30.619 v1(18.125,-26.125)
  Bottom Layer w0.3: v1(16.625,-20.625) v1(16.625,-18.275)
D13: ADC8.6 ATSAMD1.38 | length 27.1
  Top Layer w0.2: v1(-3.125,-21.425) 11.768,-21.425 ccw(c11.768,-20.493) 12.7,-20.493 12.7,-20.25 cw(c13.3,-20.25) 13.3,-19.65 16.975,-19.65 ccw(c16.975,-18.75) 17.875,-18.75 cw(c18.3,-18.75) 18.3,-18.325 19.225,-18.325 ccw(c19.225,-18.083) 19.467,-18.083 ADC8.6@19.467,-17.798
  Bottom Layer w0.2: ATSAMD1.38@-3.675,-23.425 -3.675,-22.45 -3.172,-21.947 -3.147,-21.947 -3.147,-21.447 v1(-3.125,-21.425)
D_N: ATSAMD1.33 TP23.1 TVS2.6 USB1.2 | length 21.9
  Top Layer w0.2: -13.108,-29.265 -13.225,-29.382 -13.225,-30.786 -12.922,-31.089 -12.598,-31.089 -11.887,-31.8 -11.814,-31.8 -11.375,-32.239 -11.375,-32.861 -12.025,-33.511 -12.736,-33.511 USB1.2@-12.775,-33.55 ; TVS2.6@-12.498,-29.265 -13.025,-29.265 cw(c-13.025,-29.065) -13.167,-29.206 cw(c-12.672,-28.712) -13.225,-29.14 -13.225,-29.045 cw(c-11.043,-29.055) -12.581,-27.507 cw(c-9.478,-30.622) -9.478,-26.225 -7.594,-26.225 cw(c-7.594,-26.652) -7.292,-26.35 -7.25,-26.392 ccw(c-7.05,-26.192) v1(-7.05,-26.475)
  Bottom Layer w0.2: TP23.1@-9.35,-23.425 -7.85,-23.425 cw(c-7.85,-23.625) -7.709,-23.483 cw(c-7.85,-23.625) -7.65,-23.625 -7.65,-24.058 cw(c-8.418,-24.058) -7.875,-24.6 ccw(c-7.332,-25.143) -8.1,-25.143 -8.1,-25.626 ccw(c-7.502,-25.626) -7.925,-26.049 -7.866,-26.108 ccw(c-7.583,-25.825) -7.583,-26.225 cw(c-7.583,-26.625) -7.3,-26.342 -7.25,-26.392 ccw(c-7.05,-26.192) v1(-7.05,-26.475) ccw(c-7.05,-26.192) -6.85,-26.392 -6.804,-26.346 cw(c-6.512,-26.638) -6.512,-26.225 -6.394,-26.225 cw(c-6.394,-26.353) -6.304,-26.262 ccw(c-6.213,-26.172) -6.213,-26.3 ATSAMD1.33@-5.55,-26.3
D_P: ATSAMD1.34 TP24.1 TVS2.1 USB1.3 | length 19.6
  Top Layer w0.2: TVS2.1@-14.352,-29.265 -13.825,-29.265 ; -13.742,-29.265 -13.625,-29.382 -13.625,-30.952 -13.088,-31.489 -12.764,-31.489 -12.646,-31.606 -12.646,-31.771 USB1.3@-13.425,-32.55 ; -13.684,-29.206 ccw(c-13.825,-29.065) -13.625,-29.065 cw(c-11.043,-29.055) -12.865,-27.225 cw(c-9.478,-30.622) -9.481,-25.825 -9.479,-25.825 -7.594,-25.825 ccw(c-7.594,-25.398) -7.292,-25.7 -7.25,-25.658 cw(c-7.05,-25.858) v1(-7.05,-25.575)
  Bottom Layer w0.2: ATSAMD1.34@-5.55,-25.8 cw(c-5.575,-25.776) -5.575,-25.81 -6.278,-25.81 ccw(c-6.278,-25.861) -6.314,-25.825 -6.498,-25.825 cw(c-6.498,-25.38) -6.813,-25.695 -6.85,-25.658 ccw(c-7.05,-25.858) v1(-7.05,-25.575) ccw(c-7.05,-25.858) -7.25,-25.658 -7.359,-25.766 cw(c-7.5,-25.625) -7.5,-25.825 cw(c-7.5,-25.625) -7.641,-25.766 cw(c-7.5,-25.625) -7.7,-25.625 -7.7,-25.309 cw(c-6.932,-25.309) -7.475,-24.766 -7.367,-24.658 ccw(c-7.649,-24.376) -7.25,-24.376 -7.25,-23.625 cw(c-7.05,-23.625) -7.192,-23.483 cw(c-7.05,-23.625) -7.05,-23.425 TP24.1@-5.55,-23.425
DGND: ATSAMD1.5 ATSAMD1.18 ATSAMD1.35 ATSAMD1.42 C2.1 C4.1 C6.1 C7.2 C11.1 C12.2 C16.1 C17.2 C21.1 C22.2 C26.1 C27.2 C31.1 C32.2 C36.1 C37.2 C41.1 C42.2 C47.1 C48.2 C49.1 C50.1 C51.1 C52.1 ESD1.1 ESD1.2 J1.3 J1.S1 J2.1 J2.2 J2.11 J2.20 J3.1 J3.2 J3.11 J3.20 J4.1 J4.2 J4.11 J4.20 J5.1 J5.2 J5.11 J5.20 L2.1 LED1.1 M1.1 M2.1 MUX1.14 MUX2.14 MUX3.14 MUX4.14 MUX5.14 MUX6.14 MUX7.14 MUX8.14 Q1.2 R2.1 R3.2 S1.3 TVS2.2 USB1.5 VREF1.2 VREF1.3 VREF1.5 VREF2.2 VREF2.3 VREF2.5 VREF3.2 VREF3.3 VREF3.5 VREG1.2 | length 148.7
  Top Layer w0.3: C42.2@21.275,-12.673 v1(21.275,-10.25) ; C37.2@21.4,1.002 v1(21.4,2.5) ; C32.2@21.4,13.227 21.425,13.252 v1(21.425,14.825) ; C27.2@22.777,23.7 25.025,23.7 ccw(c25.025,24.075) 25.4,24.075 v1(25.4,25.125)
  Top Layer w0.4: C36.1@-19.825,-6 -19.817,-6.008 v1@-17.636,-6.008 ; C41.1@-19.813,-19.112 v1@-17.638,-19.112 ; C31.1@-19.725,6.4 v1(-17.625,6.4) -16.975,7.05 MUX6.14@-16.975,8.875 ; C26.1@-19.6,18.799 -19.551,18.75 v1(-17.375,18.75) -16.75,19.375 MUX5.14@-16.75,21.374 ; v1@-17.625,-19.081 -16.975,-18.431 MUX8.14@-16.975,-16.525 ; v1@-17.625,-6 -16.975,-5.35 MUX7.14@-16.975,-3.425 ; v1(-17,-29.925) TVS2.2@-14.352,-29.925
  Top Layer w0.5: v2@-25.998,29.898 C4.1@-24.327,29.898 ; v2(-19.5,34.625) -20.672,33.453 R3.2@-20.672,32.1 -19.675,32.1 -19.075,31.5 VREG1.2@-18.15,31.5 ; L2.1@-11.6,27.025 -9.9,27.025 ccw(c-9.9,27.925) -9,27.925 v2(-9,29.5) -7.921,29.5 cw(c-7.921,28.579) -7,28.579 -7,26.575 ccw(c-6.125,26.575) -6.125,25.7 ESD1.1@-4.3,25.7 ESD1.2@-2.6,25.7 ; C2.1@-11.6,32.327 v2(-11.6,36.375) ; Q1.2@-4.565,31.35 -4.565,32.685 cw(c-4,32.685) -4,33.25 S1.3@-3.15,33.25 ; J1.3@2.2,32.2 8.275,32.2 cw(c8.275,31.475) 9,31.475 9,28.55 7.371,26.921 VREF2.3@6.719,26.921 ; VREF2.5@4.05,25.952 VREF2.2@6.7,25.952 VREF2.3@6.7,26.902 ; R2.1@16.702,31.352 v2@16.702,34.623 ; R2.1@16.703,31.35 17.85,31.35 18.925,30.275 VREF1.2@19.675,30.275 ; VREF1.3@19.675,29.325 VREF1.2@19.675,30.275 ; VREF1.5@22.325,30.275 VREF1.2@19.675,30.275
  Bottom Layer w0.25: ATSAMD1.35@-5.55,-25.3 -2.175,-25.3 v1(-1.675,-24.8) ATSAMD1.42@-1.675,-23.425 ; v1(-2,-33.375) -1.175,-32.55 ATSAMD1.18@-1.175,-31.675 ; ATSAMD1.5@2.7,-26.8 3.901,-26.8 ccw(c3.901,-25.776) 4.625,-26.5 cw(c5.173,-27.048) 5.173,-26.273 C48.2@6.075,-26.273
  Bottom Layer w0.3: v1(-22.75,22.25) -22.75,23.45 cw(c-22.2,23.45) -22.2,24 C7.2@-21.089,24 ; C22.2@-20.35,-12.423 v1(-20.35,-10) ; C17.2@-20.1,1 v1(-20.1,2.55) ; C12.2@-19.975,14.002 v1(-19.975,15.375) ; C6.1@21.188,18.862 C6.1@21.2,18.85
  Bottom Layer w0.4: USB1.5@-14.725,-32.575 -15.55,-33.4 -15.55,-35.05 ccw(c-15.25,-35.05) -15.25,-35.35 C50.1@-14.102,-35.35 ; MUX4.14@18.35,-16.524 18.35,-18.3 v1(19.025,-18.975) ; MUX3.14@18.35,-3.425 18.35,-5.1 v1(19,-5.75) C16.1@20.975,-5.75 ; MUX2.14@18.35,8.875 18.35,7.025 v1(19,6.375) C11.1@21.175,6.375 ; MUX1.14@18.35,21.374 18.35,19.4 v1(18.875,18.875) ; v1@18.887,18.862 C6.1@21.188,18.862 ; v1@19.05,-18.95 C21.1@21.025,-18.95
  Bottom Layer w0.5: C48.2@6.075,-26.273 C47.1@7.875,-26.273 VREF3.3@9.75,-26.273 ; C51.1@9.827,-20.725 C52.1@9.827,-23.125 ; v2(11.5,-24.75) 11.5,-23.875 ccw(c10.811,-23.875) 10.811,-23.186 9.888,-23.186 C52.1@9.827,-23.125 ; C49.1@14.275,-27.223 VREF3.5@12.4,-27.223 VREF3.2@9.75,-27.223 VREF3.3@9.75,-26.273 ; VREF3.3@9.75,-26.273 9.788,-26.235 9.788,-23.164 C52.1@9.827,-23.125
  other v1: -17.625,-19.125 -17.628,-6.017
  other v2: -26,29.9 16.7,34.625
E1: J3.13 MUX4.4 | length 20
  Bottom Layer w0.2: MUX4.4@17.7,-22.275 17.7,-23.475 ccw(c17.925,-23.475) 17.925,-23.7 26.2,-23.7 ccw(c26.2,-23.25) 26.65,-23.25 26.65,-18.15 27.275,-17.525 28.9,-17.525 J3.13@29.9,-16.525 J3.13@29.454,-16.525
E2: J3.10 MUX4.5 | length 15.9
  Bottom Layer w0.2: MUX4.5@17.05,-22.275 17.05,-23.75 ccw(c17.4,-23.75) 17.4,-24.1 27.475,-24.1 ccw(c27.475,-23.675) 27.9,-23.675 J3.10@27.9,-20.525
E3: J3.9 MUX4.6 | length 20.7
  Bottom Layer w0.2: MUX4.6@16.4,-22.275 16.4,-24.075 ccw(c16.825,-24.075) 16.825,-24.5 28.375,-24.5 ccw(c28.375,-23.975) 28.9,-23.975 28.9,-19.525 J3.9@27.9,-18.525
E4: J3.12 MUX4.7 | length 23.8
  Bottom Layer w0.2: MUX4.7@15.75,-22.275 15.75,-24.3 ccw(c16.375,-24.3) 16.375,-24.925 29.172,-24.925 ccw(c29.172,-22.972) 31.125,-22.972 31.125,-19.75 J3.12@29.9,-18.525
E5: J3.8 MUX4.12 | length 13.9
  Bottom Layer w0.2: MUX4.12@17.05,-16.524 17.05,-14.7 cw(c17.525,-14.7) 17.525,-14.225 25.025,-14.225 27.105,-16.305 27.681,-16.305 J3.8@27.9,-16.525
E6: J3.14 MUX4.11 | length 17.1
  Bottom Layer w0.2: MUX4.11@16.4,-16.524 16.4,-14.35 cw(c16.925,-14.35) 16.925,-13.825 25.575,-13.825 27.275,-15.525 28.314,-15.525 28.9,-15.525 J3.14@29.9,-14.525
E7: J3.7 MUX4.10 | length 15.4
  Bottom Layer w0.2: MUX4.10@15.75,-16.524 15.75,-14.075 cw(c16.4,-14.075) 16.4,-13.425 26.175,-13.425 27.08,-14.33 27.706,-14.33 J3.7@27.9,-14.525
E8: J3.15 MUX4.9 | length 18.6
  Bottom Layer w0.2: MUX4.9@15.1,-16.524 15.1,-13.8 cw(c15.875,-13.8) 15.875,-13.025 26.986,-13.025 27.486,-13.525 27.928,-13.525 ; 27.928,-13.525 28.9,-13.525 J3.15@29.9,-12.525
F1: J4.17 MUX5.4 | length 12.8
  Top Layer w0.2: J4.17@-27.698,14.3 -16.275,14.3 ccw(c-16.275,14.475) -16.1,14.475 MUX5.4@-16.1,15.623
F2: J4.5 MUX5.5 | length 16.6
  Top Layer w0.2: J4.5@-29.9,12.502 -28.9,13.502 -27.323,13.502 -26.925,13.9 -15.75,13.9 ccw(c-15.75,14.2) -15.45,14.2 MUX5.5@-15.45,15.623
F3: J4.16 MUX5.6 | length 15.4
  Top Layer w0.2: J4.16@-27.9,12.502 -27.67,12.731 -27.244,12.731 -26.475,13.5 -15.325,13.5 ccw(c-15.325,14.025) -14.8,14.025 MUX5.6@-14.8,15.623
F4: J4.6 MUX5.7 | length 19.1
  Top Layer w0.2: J4.6@-29.9,10.502 -28.9,11.502 -28.314,11.502 -27.466,11.502 -25.867,13.1 -14.8,13.1 ccw(c-14.8,13.75) -14.15,13.75 MUX5.7@-14.15,15.623
F5: J4.4 MUX5.12 | length 23.4
  Top Layer w0.2: J4.4@-29.9,14.502 -28.9,15.502 -28.314,15.502 -27.098,15.502 ccw(c-27.098,16.1) -26.5,16.1 -26.5,22.5 cw(c-26,22.5) -26,23 -15.7,23 cw(c-15.7,22.75) -15.45,22.75 MUX5.12@-15.45,21.374
F6: J4.18 MUX5.11 | length 21.3
  Top Layer w0.2: J4.18@-27.9,16.502 -26.9,17.502 -26.9,23.05 cw(c-26.45,23.05) -26.45,23.5 -15.25,23.5 cw(c-15.25,23.05) -14.8,23.05 MUX5.11@-14.8,21.374
F7: J4.19 MUX5.10 | length 22.5
  Top Layer w0.2: J4.19@-27.9,18.502 -28.9,19.502 -28.9,22.575 cw(c-27.475,22.575) -27.475,24 -14.675,24 cw(c-14.675,23.475) -14.15,23.475 MUX5.10@-14.15,21.374
F8: J4.3 MUX5.9 | length 28.1
  Top Layer w0.2: J4.3@-29.9,16.502 -31.2,17.802 -31.2,22.45 cw(c-29.15,22.45) -29.15,24.5 -14.342,24.5 cw(c-14.342,23.658) -13.5,23.658 MUX5.9@-13.5,21.374
G1: J4.13 MUX6.4 | length 16.3
  Top Layer w0.2: J4.13@-27.9,6.502 -26.375,4.977 -26.375,2.25 ccw(c-25.972,2.25) -25.972,1.847 -16.565,1.847 ccw(c-16.565,2.061) -16.351,2.061 -16.351,3.099 MUX6.4@-16.325,3.125
G2: J4.12 MUX6.5 | length 16.1
  Top Layer w0.2: J4.12@-27.9,4.502 -26.875,3.477 -26.875,1.9 ccw(c-26.375,1.9) -26.375,1.4 -15.925,1.4 ccw(c-15.925,1.65) -15.675,1.65 MUX6.5@-15.675,3.125
G3: J4.9 MUX6.6 | length 19.6
  Top Layer w0.2: J4.9@-29.9,4.502 -28.9,3.502 -28.9,1.425 ccw(c-28.475,1.425) -28.475,1 -15.425,1 ccw(c-15.425,1.4) -15.025,1.4 MUX6.6@-15.025,3.125
G4: J4.10 MUX6.7 | length 19.6
  Top Layer w0.2: J4.10@-29.9,2.502 -29.9,1.1 ccw(c-29.35,1.1) -29.35,0.55 -14.95,0.55 ccw(c-14.95,1.125) -14.375,1.125 MUX6.7@-14.375,3.125
G5: J4.8 MUX6.12 | length 18.9
  Top Layer w0.2: J4.8@-29.9,6.502 -28.9,7.502 -27.073,7.502 ccw(c-27.073,7.95) -26.625,7.95 -26.625,8.825 -24.25,11.2 -15.975,11.2 cw(c-15.975,10.9) -15.675,10.9 MUX6.12@-15.675,8.875
G6: J4.14 MUX6.11 | length 16.6
  Top Layer w0.2: J4.14@-27.648,8.502 -24.475,11.675 -15.375,11.675 cw(c-15.375,11.325) -15.025,11.325 MUX6.11@-15.025,8.875
G7: J4.7 MUX6.10 | length 20.1
  Top Layer w0.2: J4.7@-29.9,8.502 -28.9,9.502 -27.473,9.502 -24.8,12.175 -14.925,12.175 cw(c-14.925,11.625) -14.375,11.625 MUX6.10@-14.375,8.875
G8: J4.15 MUX6.9 | length 18.7
  Top Layer w0.2: J4.15@-27.9,10.502 -27.598,10.502 -25.4,12.7 -14.275,12.7 cw(c-14.275,12.15) -13.725,12.15 MUX6.9@-13.725,8.875
H1: J5.17 MUX7.4 | length 13.8
  Top Layer w0.2: J5.17@-27.67,-8.754 -27.121,-8.754 -25.05,-10.825 -16.525,-10.825 ccw(c-16.525,-10.625) -16.325,-10.625 MUX7.4@-16.325,-9.175
H2: J5.5 MUX7.5 | length 17.4
  Top Layer w0.2: J5.5@-29.9,-10.525 -28.9,-9.525 -27.466,-9.525 -25.665,-11.325 -16,-11.325 ccw(c-16,-11) -15.675,-11 MUX7.5@-15.675,-9.175
H3: J5.16 MUX7.6 | length 15.8
  Top Layer w0.2: J5.16@-27.9,-10.525 -27.66,-10.525 -26.409,-11.775 -15.525,-11.775 ccw(c-15.525,-11.275) -15.025,-11.275 MUX7.6@-15.025,-9.175
H4: J5.6 MUX7.7 | length 19
  Top Layer w0.2: J5.6@-29.9,-12.525 -28.9,-11.525 -28.314,-11.525 ; -28.314,-11.525 -27.375,-11.525 -26.675,-12.225 -15,-12.225 ccw(c-15,-11.6) -14.375,-11.6 MUX7.7@-14.375,-9.175
H5: J5.4 MUX7.12 | length 23
  Top Layer w0.2: J5.4@-29.9,-8.525 -28.9,-7.525 -26.775,-7.525 ccw(c-26.775,-7.175) -26.425,-7.175 -26.425,-1.525 cw(c-25.95,-1.525) -25.95,-1.05 -15.95,-1.05 cw(c-15.95,-1.325) -15.675,-1.325 MUX7.12@-15.675,-3.425
H6: J5.18 MUX7.11 | length 20.5
  Top Layer w0.2: J5.18@-27.575,-6.525 -27.231,-6.18 ; -27.23,-6.18 -26.875,-5.825 -26.875,-1.1 cw(c-26.425,-1.1) -26.425,-0.65 -15.4,-0.65 cw(c-15.4,-1.05) -15,-1.05 -15,-3.4 MUX7.11@-15.025,-3.425
H7: J5.19 MUX7.10 | length 21.9
  Top Layer w0.2: J5.19@-27.9,-4.525 -28.9,-3.525 -28.9,-0.8 cw(c-28.35,-0.8) -28.35,-0.25 -14.9,-0.25 cw(c-14.9,-0.775) -14.375,-0.775 MUX7.10@-14.375,-3.425
H8: J5.3 MUX7.9 | length 27.8
  Top Layer w0.2: J5.3@-29.9,-6.525 -31.25,-5.175 -31.25,-0.625 cw(c-30.475,-0.625) -30.475,0.15 -14.225,0.15 cw(c-14.225,-0.35) -13.725,-0.35 MUX7.9@-13.725,-3.425
I1: J5.13 MUX8.4 | length 18.7
  Top Layer w0.2: J5.13@-27.9,-16.525 -26.375,-18.05 -26.375,-23.05 ccw(c-25.85,-23.05) -25.85,-23.575 -16.5,-23.575 ccw(c-16.5,-23.4) -16.325,-23.4 MUX8.4@-16.325,-22.275
I2: J5.12 MUX8.5 | length 18.5
  Top Layer w0.2: J5.12@-27.9,-18.525 -26.875,-19.55 -26.875,-23.5 ccw(c-26.4,-23.5) -26.4,-23.975 -15.95,-23.975 ccw(c-15.95,-23.7) -15.675,-23.7 MUX8.5@-15.675,-22.275
I3: J5.9 MUX8.6 | length 21.4
  Top Layer w0.2: J5.9@-29.9,-18.525 -28.9,-19.525 -28.9,-22.85 ccw(c-27.375,-22.85) -27.375,-24.375 -15.425,-24.375 ccw(c-15.425,-23.975) -15.025,-23.975 MUX8.6@-15.025,-22.275